# Allegro board 8880F5-0825_4.brd (continued)
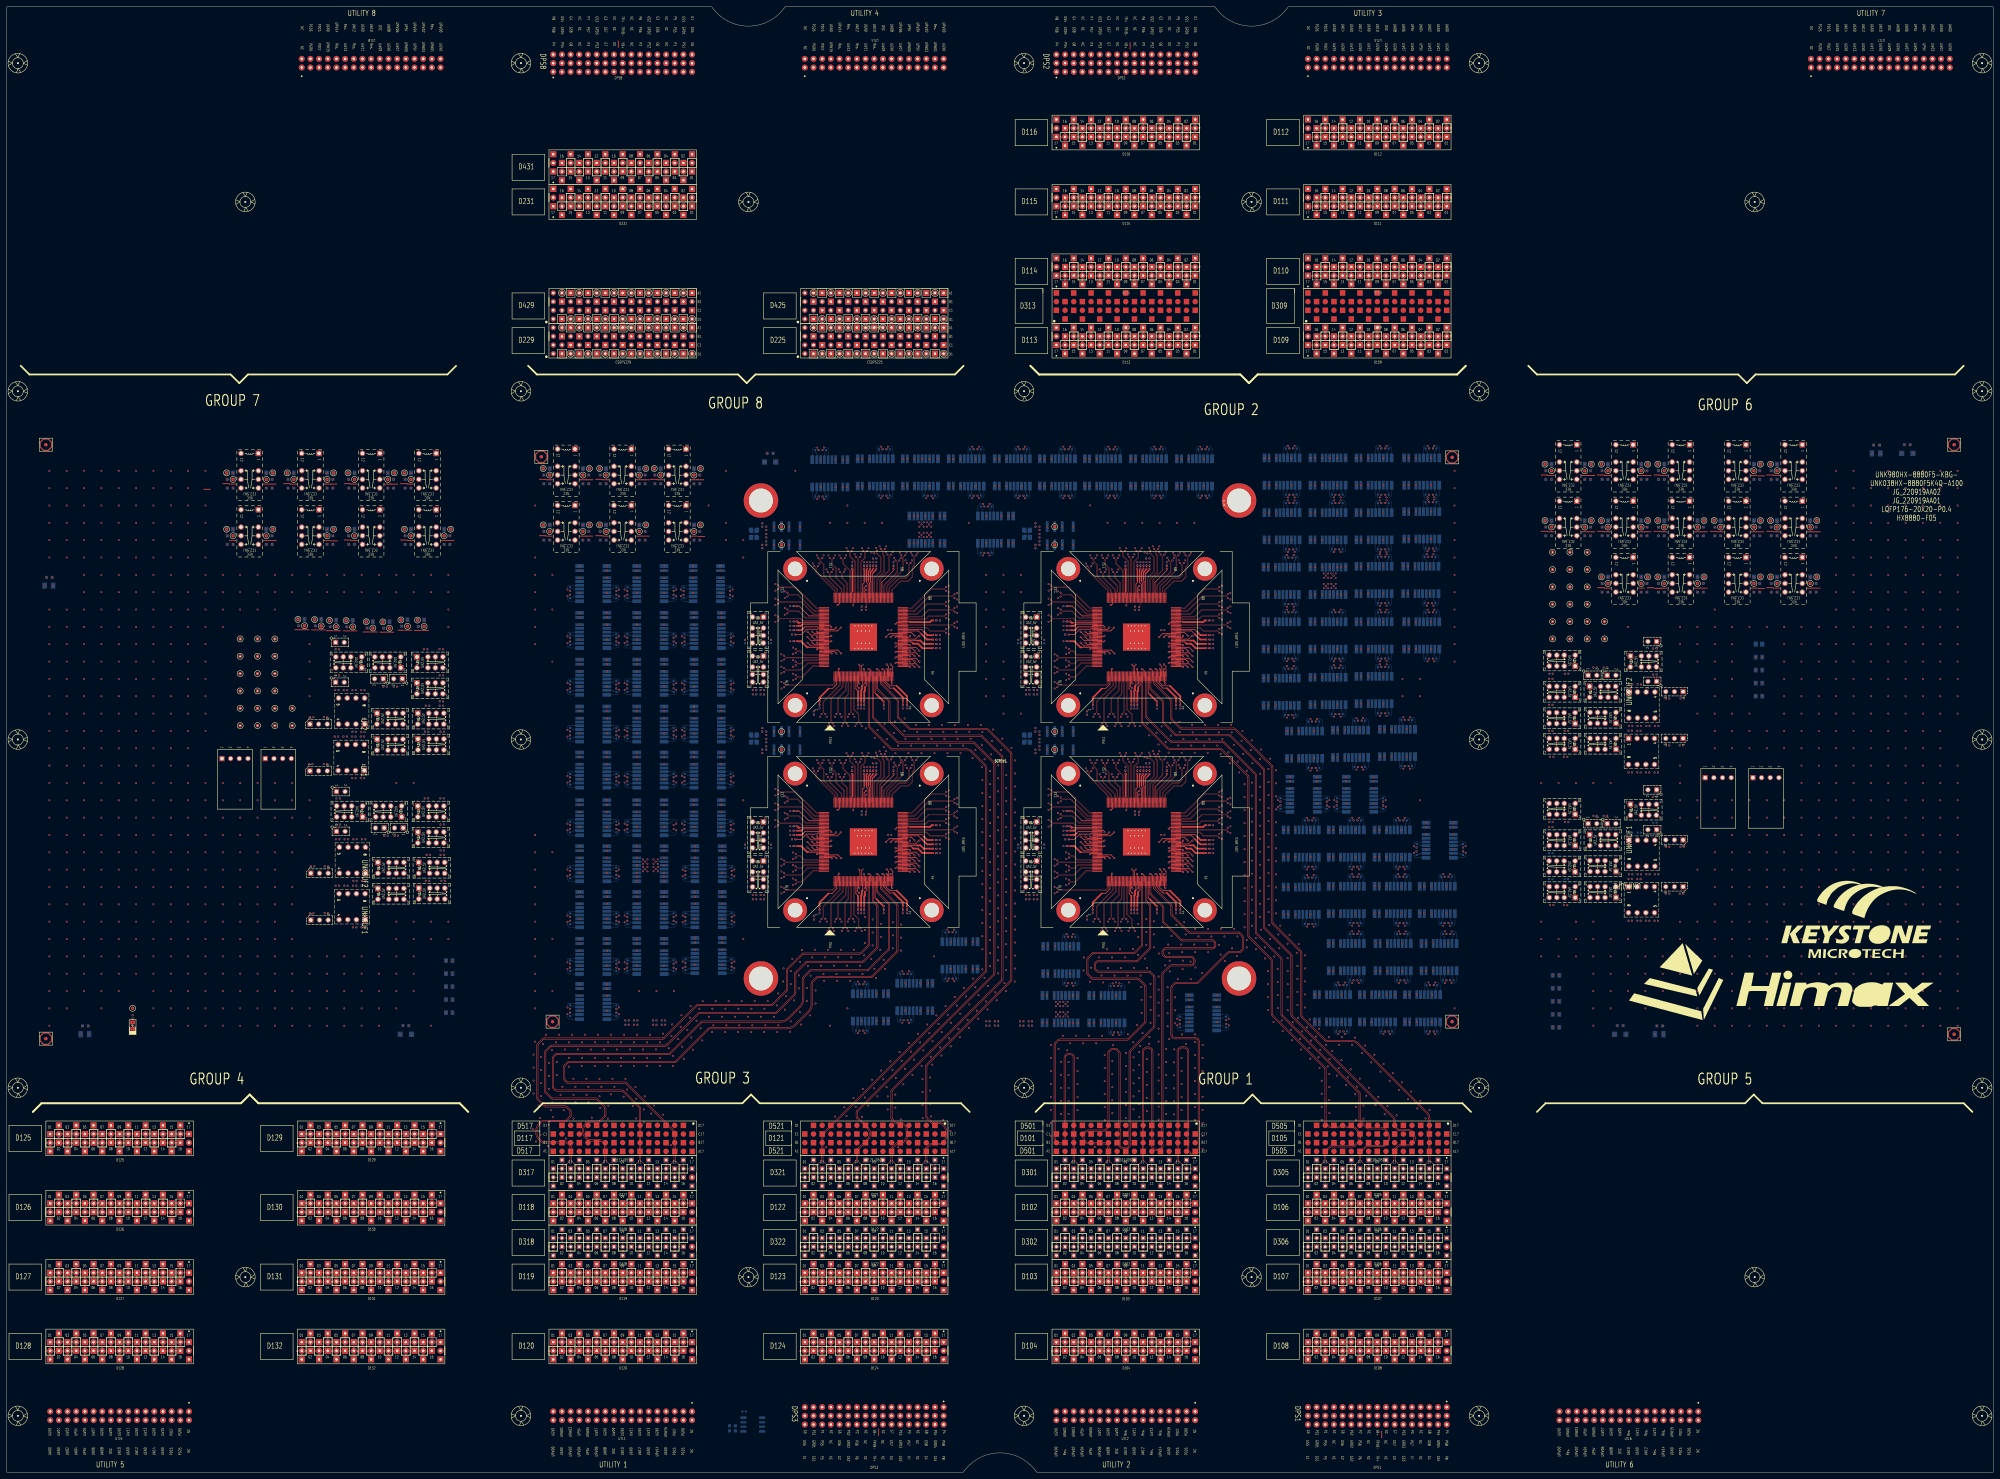
[diagram p0: board, top side]
## Routing (per net, layer and track width the routed paths; a pad name or vN(x,y) marks a point on that pad's centre or on a via; arc(x,y) is an arc through that point) (continued)
S3_DCH044: length 2.2
  TOP w0.231: v1(237.23,181.03) 237.43,181.23 SITE3.163
S3_DCH045: length 5.4
  TOP w0.231: SITE3.164 243.35,180.83 v1(244.35,179.83)
S3_DCH046: length 3.9
  TOP w0.231: SITE3.165 242.35,180.43 v1(242.95,179.83)
S3_DCH047: length 2.3
  TOP w0.231: SITE3.166 241.36,180.03 v1(241.56,179.83)
S3_DCH048:
  vias: v1(229.05,216.97)
S3_DCH049:
  vias: v1(229.05,211.67)
S3_DPS_F_001:
  vias: v1(112.05,249.13) v1(112.05,247.23) v1(190.24,131.06) v1(221.73,167.84)
S3_DPS_F_002: length 10.1
  TOP w0.231: SITE3.3 243.03,170.86 241.72,169.55 240.65,169.55
  TOP w0.508: 240.65,169.55 237.98,166.88 v1(237.98,165.75)
  vias: v1(111.55,292.74) v1(111.55,290.83) v1(236.32,162.9) v1(237.98,163.71)
S3_DPS_F_003: length 63.1
  TOP w0.231: 232.83,188.18 233.08,188.43 SITE3.145 ; 249.28,168.85 248.63,169.5 SITE3.17 ; SITE3.71 266.94,186.43 267.84,185.53 ; 259.73,169.66 258.57,169.66 256.63,171.59 SITE3.37 ; 265.2,182.93 264.9,183.23 SITE3.63 ; 251.69,201.16 251.69,200.65 252.23,200.11 SITE3.107 ; 234.63,181.63 SITE3.162
  TOP w0.381: v1(251.94,204.54) 251.69,204.28 251.69,201.16
  TOP w0.508: v1(249.28,165.75) 249.28,168.85 ; v1(271.22,181.37) 268.11,181.37 266.8,182.68 265.45,182.68 265.2,182.93 ; v1(231.44,187.93) 232.58,187.93 232.83,188.18 ; v1(231.44,183.41) 232.59,183.41 234.37,181.63 234.63,181.63 ; v1(271.22,183.91) 269.46,183.91 267.84,185.53 ; v1(262.36,165.75) 262.36,167.02 259.73,169.66
  vias: v1(101.81,292.74) v1(101.81,290.83) v1(114.55,186.44) v1(229.4,187.93) v1(229.4,183.41) v1(249.28,163.71) v1(251.54,192.61) v1(251.94,206.58) v1(262.36,163.71) v1(273.27,183.91) v1(273.27,181.37)
S3_DPS_F_006: length 9.6
  TOP w0.231: 268.55,186.19 267.92,186.83 SITE3.72
  TOP w0.508: v1(271.22,185.18) 269.56,185.18 268.55,186.19
  vias: v1(75.99,276.23) v1(75.99,274.32) v1(259,186.67) v1(273.27,185.18)
S3_DPS_F_007: length 19
  TOP w0.231: SITE3.97 256.23,200.71 259.65,204.13 v1(259.65,204.54) ; SITE3.78 264.15,189.23 264.37,189.01
  TOP w0.508: v1(271.22,189.5) 270.8,189.5 270.31,189.01 264.37,189.01
  vias: v1(75.99,292.74) v1(75.99,290.83) v1(259.65,206.58) v1(273.27,189.5)
S3_DPS_F_009: length 8.8
  TOP w0.231: 252.26,201.12 252.26,200.9 252.63,200.53 SITE3.106
  TOP w0.381: v1(252.83,204.54) 252.83,204.39 252.26,203.82 252.26,201.12
  vias: v1(93.77,292.74) v1(93.77,290.83) v1(252.83,206.58) v1(253.61,207.66)
S3_DPS_F_010: length 8.6
  TOP w0.231: 251.05,201.13 251.05,200.57 250.63,200.15 SITE3.111
  TOP w0.381: 251.05,201.13 v1(251.05,204.54)
  vias: v1(84.03,292.74) v1(84.03,290.83) v1(250.34,193.59) v1(251.05,206.58)
S3_DPS_F_011: length 17.6
  TOP w0.231: SITE3.139 234.87,190.83 232.01,193.69 v1(231.44,193.69) ; 247.64,198.01 247.43,197.79 SITE3.119
  TOP w0.508: v1(247.57,204.54) 247.64,204.47 247.64,198.01
  vias: v1(66.25,292.74) v1(66.25,290.83) v1(229.4,193.69) v1(247.57,206.58)
S3_DPS_F_012: length 8
  TOP w0.231: 232.2,188.83 SITE3.144
  TOP w0.508: 232.2,188.83 231.81,188.83 v1(231.44,189.2)
  vias: v1(66.25,276.23) v1(66.25,274.32) v1(229.4,189.2)
S3_DPS_F_013:
  vias: v1(89.78,163.72) v1(90.02,177.49) v1(96.27,171.81) v1(96.37,185.42) v1(97.53,197.36) v1(97.53,189.74) v1(98.81,171.81) v1(98.91,185.42) v1(101.35,171.81) v1(101.35,159.62) v1(101.45,185.42) v1(101.45,173.22) v1(103.89,159.62) v1(104.89,171.81) v1(104.99,185.42) v1(105.01,173.17) v1(107.18,249.19) v1(107.18,247.28) v1(122.38,197.41) v1(127.01,189.74) v1(127.01,182.12)
S3_ISP00+: length 15.9
  TOP w0.086: SITE3.73 263.98,187.23 264.06,187.31 269.31,187.31 270.29,186.33 274.62,186.33 v1(275.08,185.88)
  BOTTOM w0.119: v1(186.95,178.86) UNK3K43.7
S3_ISP00-: length 15.9
  TOP w0.086: v1(275.08,187.02) 274.62,186.57 270.39,186.57 269.41,187.55 264.06,187.55 263.98,187.63 SITE3.74
  BOTTOM w0.119: v1(189.99,178.86) UNK3K43.2
S3_ISP14+: length 14.5
  TOP w0.086: SITE3.112 250.23,197.78 250.15,197.86 250.15,206.59 251.48,207.92 251.48,209.45 v1(251.93,209.9)
  vias: v1(184.47,174.46)
S3_ISP14-: length 14.5
  TOP w0.086: SITE3.113 249.83,197.78 249.91,197.86 249.91,206.69 251.24,208.02 251.24,209.45 v1(250.79,209.9)
  vias: v1(192.47,174.46)
S3_ISP_1LOCK:
  vias: v1(229.91,185.39)
S3_M_DPS_F_001: length 45.2
  TOP w0.231: 250.63,170.54 SITE3.22 ; SITE3.39 257.43,171.49 258.54,170.37 260.57,170.37 ; SITE3.147 233.7,187.63 233.24,187.18 ; SITE3.104 253.43,203.21 ; 266.49,183.63 SITE3.64
  TOP w0.381: 253.43,203.21 254.61,204.39 v1(254.61,204.54)
  TOP w0.508: 250.63,170.54 250.38,170.28 250.38,169.17 250.17,168.96 v1(250.17,165.75) ; 260.57,170.37 263.63,167.31 v1(263.63,165.75) ; 266.49,183.63 267.49,183.63 268.48,182.64 v1(271.22,182.64) ; 233.24,187.18 232.72,186.66 v1(231.44,186.66)
  vias: v1(101.81,276.23) v1(101.81,274.32) v1(229.4,186.66) v1(250.17,163.71) v1(254.61,206.58) v1(263.63,163.71) v1(273.27,182.64)
S3_PS9G_DCH001: length 3.7
  TOP w0.231: v1(249.63,169.63) 249.03,170.23 SITE3.18
S3_PS9G_DCH002: length 2.2
  TOP w0.231: v1(249.63,171.03) 249.43,171.23 SITE3.19
S3_PS9G_DCH003: length 2.2
  TOP w0.231: v1(251.23,171.03) 251.43,171.23 SITE3.24
S3_PS9G_DCH004: length 2.2
  TOP w0.231: v1(257.63,175.23) 257.83,175.03 SITE3.40
S3_PS9G_DCH005: length 2.2
  TOP w0.231: SITE3.45 264.23,176.03 v1(264.43,175.83)
S3_PS9G_DCH006: length 3.7
  TOP w0.231: SITE3.46 265.23,176.43 v1(265.83,175.83)
S3_PS9G_DCH007: length 5.3
  TOP w0.231: v1(267.23,175.83) 266.22,176.83 SITE3.47
S3_PS9G_DCH009: length 2.2
  TOP w0.231: v1(264.43,177.43) 264.23,177.63 SITE3.49
S3_PS9G_DCH010: length 3.7
  TOP w0.231: v1(265.83,177.43) 265.23,178.03 SITE3.50
S3_PS9G_DCH011: length 5.3
  TOP w0.231: SITE3.51 266.22,178.43 v1(267.23,177.43)
S3_PS9G_DCH014: length 3.7
  TOP w0.231: SITE3.54 265.23,179.63 v1(265.83,179.03)
S3_PS9G_DCH015: length 5.3
  TOP w0.231: v1(267.23,179.03) 266.22,180.03 SITE3.55
S3_PS9G_DCH022: length 5.3
  TOP w0.231: SITE3.65 266.05,184.03 267.05,185.03 v1(267.23,185.03)
S3_PS9G_DCH023: length 2.5
  TOP w0.231: v1(264.43,185.03) 264.43,184.83 264.03,184.43 SITE3.66
S3_PS9G_DCH027: length 3.9
  TOP w0.231: v1(265.83,185.03) 264.83,186.03 SITE3.70
S3_PS9G_DCH028: length 2.3
  TOP w0.231: SITE3.77 260.6,188.83 v1(260.23,188.46)
S3_PS9G_DCH029: length 2.2
  TOP w0.119: SITE3.118 v1(247.83,193.92)
S3_PS9G_DCH030: length 9.2
  TOP w0.231: SITE3.148 237.62,187.23 237.3,186.91 234.16,186.91 232.63,185.39 v1(230.91,185.39)
S3_PS9G_DCH035: length 5.3
  TOP w0.231: v1(234.44,186.23) 235.44,185.23 SITE3.153
S3_PS9G_DCH036: length 2.2
  TOP w0.231: SITE3.154 241.23,184.83 v1(241.43,185.03)
S3_PS9G_DCH037: length 2.2
  TOP w0.231: v1(237.23,184.63) 237.43,184.43 SITE3.155
S3_PS9G_DCH038: length 3.7
  TOP w0.231: SITE3.156 236.43,184.03 v1(235.83,184.63)
S3_PS9G_DCH039: length 5.3
  TOP w0.231: v1(234.44,184.63) 235.44,183.63 SITE3.157
S3_PS9G_DCH040: length 2.2
  TOP w0.231: v1(241.43,183.43) 241.23,183.23 SITE3.158
S3_RLY_001:
  vias: v1(256.73,140.14) v1(282.9,155.38)
S3_RLY_003:
  vias: v1(167.7,182.06) v1(269.69,143.19)
S3_RLY_005:
  vias: v1(184.47,222.95) v1(201.23,222.95)
S3_RLY_007:
  vias: v1(184.47,209.49)
S3_RLY_008:
  vias: v1(167.7,209.49) v1(184.47,195.52)
S3_RLY_016:
  vias: v1(167.7,195.52) v1(201.23,209.49)
S3_RLY_018:
  vias: v1(232.25,216.97)
S3_RLY_021:
  vias: v1(167.7,168.6) v1(201.23,195.52)
S3_RLY_022:
  vias: v1(184.47,154.88) v1(201.49,155.13)
S3_RLY_023:
  vias: v1(167.7,141.67)
S3_RLY_025:
  vias: v1(201.49,182.06) v1(201.49,168.6)
S3_RLY_026:
  vias: v1(184.47,168.6)
S3_RLY_030:
  vias: v1(167.7,154.88)
S3_RLY_043:
  vias: v1(184.47,182.06)
S3_SCAN_DCH008: length 2.2
  TOP w0.231: SITE3.48 260.43,177.23 v1(260.23,177.03)
S3_SCAN_DCH012: length 2.2
  TOP w0.231: v1(260.23,178.63) 260.43,178.83 SITE3.52
S3_SCAN_DCH013: length 2.2
  TOP w0.231: v1(264.43,179.03) 264.23,179.23 SITE3.53
S3_SCAN_DCH016: length 2.2
  TOP w0.231: v1(260.23,180.23) 260.43,180.43 SITE3.56
S3_SCAN_DCH017: length 2.2
  TOP w0.231: SITE3.57 264.23,180.83 v1(264.43,180.63)
S3_SCAN_DCH018: length 3.7
  TOP w0.231: v1(265.83,180.63) 265.23,181.23 SITE3.58
S3_SCAN_DCH019: length 5.3
  TOP w0.231: SITE3.59 266.22,181.63 v1(267.23,180.63)
S3_SCAN_DCH020: length 2.2
  TOP w0.231: v1(260.23,181.83) 260.43,182.03 SITE3.60
S3_SCAN_DCH021: length 2.2
  TOP w0.231: SITE3.61 264.23,182.43 v1(264.43,182.23)
S3_SCAN_DCH024: length 2.2
  TOP w0.231: SITE3.67 260.43,184.83 v1(260.23,184.63)
S3_SCAN_DCH025: length 3.7
  TOP w0.231: SITE3.68 259.43,185.23 v1(258.83,184.63)
S3_SCAN_DCH026: length 5.3
  TOP w0.231: SITE3.69 258.44,185.63 v1(257.44,184.63)
S3_SCAN_DCH031: length 3.7
  TOP w0.231: SITE3.149 242.23,186.83 v1(242.83,187.43)
S3_SCAN_DCH032: length 5.3
  TOP w0.231: SITE3.150 243.22,186.43 v1(244.22,187.43)
S3_SCAN_DCH033: length 2.2
  TOP w0.231: v1(237.23,186.23) 237.43,186.03 SITE3.151
S3_SCAN_DCH034: length 3.7
  TOP w0.231: SITE3.152 236.43,185.63 v1(235.83,186.23)
S3_SPI_1_CSN:
  vias: v1(104.89,159.62)
S3_SPI_1_SCK:
  vias: v1(99.81,171.81)
S3_SPI_1_SDI:
  vias: v1(123.69,173.23)
S3_SPI_1_SDO:
  vias: v1(123.94,180.85)
S3_SPI_2_CSN:
  vias: v1(104.01,173.17)
S3_SPI_2_SCK:
  vias: v1(99.91,185.42)
S3_SPI_2_SDI:
  vias: v1(128.26,173.23)
S3_SPI_2_SDO:
  vias: v1(128.01,180.85)
S3_SPI_11_SDI:
  vias: v1(102.35,159.62) v1(122.69,173.23)
S3_SPI_11_SDO:
  vias: v1(97.27,171.81) v1(122.94,180.85)
S3_SPI_22_SDI:
  vias: v1(102.45,173.22) v1(127.26,173.23)
S3_SPI_22_SDO:
  vias: v1(97.37,185.42) v1(127.01,180.85)
S3_SPI_CSN: length 2.2
  TOP w0.231: SITE3.43 259.03,171.23 v1(259.23,171.03)
S3_SPI_SCK: length 2.2
  TOP w0.231: SITE3.42 258.63,175.03 v1(258.83,175.23)
S3_SPI_SDI: length 3.7
  TOP w0.231: v1(258.83,176.63) 259.43,176.03 SITE3.44
S3_SPI_SDO: length 3.7
  TOP w0.231: v1(257.63,176.63) 258.23,176.03 SITE3.41
S3_XTAL_IN: length 2.5
  TOP w0.119: SITE3.109 251.43,198.31 v1(251.63,198.51)
  vias: v1(226.85,211.67)
S3_XTAL_OUT: length 3.7
  TOP w0.231: v1(251.63,199.63) 251.03,199.03 SITE3.110
  vias: v1(226.85,216.97)
S4_1AUX+:
  vias: v1(301.73,169.11)
S4_1AUX-:
  vias: v1(298.45,169.11)
S4_1TX_100DCH001+: length 2.5
  BOTTOM w0.119: v1(310.01,134.11) UNK4K43.6
  vias: v1(421.02,174.43)
S4_1TX_100DCH001-: length 2.5
  BOTTOM w0.119: v1(310.01,137.16) UNK4K43.3
  vias: v1(422.17,174.43)
S4_1TX_100DCH002+: length 15.4
  TOP w0.086: SITE4.75 343.98,188.03 344.06,188.11 357.07,188.11 v1(357.52,187.66)
  vias: v1(421.02,160.85)
S4_1TX_100DCH002-: length 15.4
  TOP w0.086: v1(357.52,188.8) 357.07,188.35 344.06,188.35 343.98,188.43 SITE4.76
  vias: v1(422.17,160.85)
S4_1TX_100DCH003+: length 13.3
  TOP w0.086: SITE4.79 343.98,189.63 344.06,189.71 349.05,189.71 349.94,190.59 354.62,190.59 v1(355.08,190.14)
  vias: v1(408.07,157.67)
S4_1TX_100DCH003-: length 13.3
  TOP w0.086: v1(355.08,191.28) 354.62,190.83 349.84,190.83 348.95,189.95 344.06,189.95 343.98,190.03 SITE4.80
  vias: v1(409.21,157.67)
S4_1TX_100DCH004+: length 16.2
  TOP w0.086: v1(357.52,192.08) 357.07,192.53 350.02,192.53 347.99,190.51 344.06,190.51 343.98,190.43 SITE4.81
  vias: v1(408.07,144.08)
S4_1TX_100DCH004-: length 16.2
  TOP w0.086: SITE4.82 343.98,190.83 344.06,190.75 347.89,190.75 349.92,192.77 357.07,192.77 v1(357.52,193.22)
  vias: v1(409.21,144.08)
S4_1TX_100DCH005+: length 14.2
  TOP w0.086: SITE4.83 343.98,191.23 344.06,191.31 346.61,191.31 349.53,194.22 354.62,194.22 v1(355.08,193.77)
  vias: v1(324.25,142.43)
S4_1TX_100DCH005-: length 14.2
  TOP w0.086: SITE4.84 343.98,191.63 344.06,191.55 346.51,191.55 349.43,194.46 354.62,194.46 v1(355.08,194.92)
  vias: v1(325.39,142.43)
S4_1TX_100DCH006+: length 17.2
  TOP w0.086: SITE4.85 343.98,192.03 344.06,192.11 345.74,192.11 350.12,196.49 357.07,196.49 v1(357.52,196.03)
  vias: v1(324.25,128.84)
S4_1TX_100DCH006-: length 17.2
  TOP w0.086: v1(357.52,197.18) 357.07,196.73 350.02,196.73 345.64,192.35 344.06,192.35 343.98,192.43 SITE4.86
  vias: v1(325.39,128.84)
S4_1TX_100DCH007+: length 15.3
  TOP w0.086: SITE4.87 343.98,192.83 344.06,192.91 344.96,192.91 350.67,198.62 354.62,198.62 v1(355.08,198.17)
  vias: v1(409.34,220.41)
S4_1TX_100DCH007-: length 15.3
  TOP w0.086: v1(355.08,199.31) 354.62,198.86 350.57,198.86 344.86,193.15 344.06,193.15 343.98,193.23 SITE4.88
  vias: v1(410.48,220.41)
S4_2AUX+:
  vias: v1(300.22,132.08) v1(300.22,130.81) v1(300.73,169.11) v1(300.73,167.84)
S4_2AUX-:
  vias: v1(296.68,130.81) v1(297.68,132.08) v1(299.45,169.11) v1(299.45,167.84)
S4_2TX_100DCH001+: length 16.7
  TOP w0.086: SITE4.89 339.43,197.78 339.35,197.86 339.35,198.44 341.74,200.83 343.95,200.83 345.31,202.18 345.31,205.07 345.87,205.63 345.87,208.15 v1(346.32,208.6)
  vias: v1(409.34,206.82)
S4_2TX_100DCH001-: length 16.7
  TOP w0.086: v1(345.18,208.6) 345.63,208.15 345.63,205.73 345.07,205.17 345.07,202.28 343.85,201.07 341.64,201.07 339.11,198.54 339.11,197.86 339.03,197.78 SITE4.90
  vias: v1(410.48,206.82)
S4_2TX_100DCH002+: length 13.9
  TOP w0.086: SITE4.91 338.63,197.78 338.55,197.86 338.55,199 341.27,201.72 343.16,201.72 344.22,202.77 344.22,205.88 v1(344.67,206.34)
  vias: v1(394.35,157.67)
S4_2TX_100DCH002-: length 13.9
  TOP w0.086: SITE4.92 338.23,197.78 338.31,197.86 338.31,199.1 341.17,201.96 343.07,201.96 343.98,202.87 343.98,205.88 v1(343.52,206.34)
  vias: v1(395.5,157.67)
S4_2TX_100DCH003+: length 14.7
  TOP w0.086: v1(343.07,208.6) 342.61,208.15 342.61,204.3 337.75,199.44 337.75,197.86 337.83,197.78 SITE4.93
  vias: v1(394.35,144.08)
S4_2TX_100DCH003-: length 14.7
  TOP w0.086: v1(341.92,208.6) 342.37,208.15 342.37,204.4 337.51,199.54 337.51,197.86 337.43,197.78 SITE4.94
  vias: v1(395.5,144.08)
S4_2TX_100DCH004+: length 12.8
  TOP w0.086: v1(341.36,207.09) 340.9,206.64 340.9,203.67 336.95,199.72 336.95,197.86 337.03,197.78 SITE4.95
  vias: v1(421.53,157.67)
S4_2TX_100DCH004-: length 12.8
  TOP w0.086: SITE4.96 336.63,197.78 336.71,197.86 336.71,199.82 340.67,203.77 340.67,206.64 v1(340.21,207.09)
  vias: v1(422.68,157.67)
S4_2TX_100DCH005+: length 14.1
  TOP w0.086: SITE4.98 335.83,197.78 335.75,197.86 335.75,201.37 338.54,204.15 338.54,208.38 v1(338.99,208.83)
  vias: v1(421.53,144.08)
S4_2TX_100DCH005-: length 14.1
  TOP w0.086: v1(337.84,208.83) 338.3,208.38 338.3,204.25 335.51,201.47 335.51,197.86 335.43,197.78 SITE4.99
  vias: v1(422.68,144.08)
S4_2TX_100DCH006+: length 15.6
  TOP w0.086: SITE4.100 335.03,197.78 334.95,197.86 334.95,201.59 337.04,203.68 337.04,208.51 336.65,208.9 336.65,209.99 v1(337.1,210.44)
  vias: v1(426.4,182.99)
S4_2TX_100DCH006-: length 15.6
  TOP w0.086: v1(335.96,210.44) 336.41,209.99 336.41,208.8 336.8,208.41 336.8,203.78 334.71,201.69 334.71,197.86 334.63,197.78 SITE4.101
  vias: v1(426.4,181.84)
S4_2TX_100DCH007+: length 15.1
  TOP w0.086: v1(334.78,209.97) 334.78,209.33 335.98,208.13 335.98,203.78 334.15,201.95 334.15,197.86 334.23,197.78 SITE4.102
  vias: v1(412.81,182.99)
S4_2TX_100DCH007-: length 14.9
  TOP w0.086: v1(333.98,209.17) 334.61,209.17 335.74,208.03 335.74,203.88 333.91,202.05 333.91,197.86 333.83,197.78 SITE4.103
  vias: v1(412.81,181.84)
S4_3TX_100DCH002+: length 12.2
  TOP w0.086: SITE4.114 329.43,197.78 329.35,197.86 329.35,207.66 v1(329.8,208.11)
  vias: v1(403.5,129.1)
S4_3TX_100DCH002-: length 12.2
  TOP w0.086: SITE4.115 329.03,197.78 329.11,197.86 329.11,207.66 v1(328.66,208.11)
  vias: v1(404.64,129.1)
S4_3TX_100DCH003+: length 14.7
  TOP w0.086: v1(327.41,209.9) 326.96,209.45 326.96,208.41 328.55,206.82 328.55,197.86 328.63,197.78 SITE4.116
  vias: v1(381.15,190.94)
S4_3TX_100DCH003-: length 14.7
  TOP w0.086: v1(326.26,209.9) 326.72,209.45 326.72,208.31 328.31,206.72 328.31,197.86 328.23,197.78 SITE4.117
  vias: v1(382.29,190.94)
S4_3TX_100DCH004+: length 12.7
  TOP w0.086: v1(325.36,207.81) 324.91,207.36 324.91,206.21 326.95,204.17 326.95,197.86 327.03,197.78 SITE4.120
  vias: v1(381.15,177.36)
S4_3TX_100DCH004-: length 12.7
  TOP w0.086: SITE4.121 326.63,197.78 326.71,197.86 326.71,204.07 324.67,206.11 324.67,207.36 v1(324.22,207.81)
  vias: v1(382.29,177.36)
S4_3TX_100DCH005+: length 8.4
  TOP w0.086: SITE4.122 326.23,197.78 326.15,197.86 326.15,200.53 324.65,202.03 324.65,203.24 v1(325.11,203.69)
  vias: v1(394.35,174.43)
S4_3TX_100DCH005-: length 8.4
  TOP w0.086: v1(323.96,203.69) 324.42,203.24 324.42,201.93 325.91,200.44 325.91,197.86 325.83,197.78 SITE4.123
  vias: v1(395.5,174.43)
S4_3TX_100DCH006+: length 13.4
  TOP w0.086: v1(322.12,207.81) 321.66,207.36 321.66,206.13 322.87,204.93 322.87,202.13 325.35,199.65 325.35,197.86 325.43,197.78 SITE4.124
  vias: v1(394.35,160.85)
S4_3TX_100DCH006-: length 13.4
  TOP w0.086: SITE4.125 325.03,197.78 325.11,197.86 325.11,199.55 322.63,202.03 322.63,204.83 321.43,206.04 321.43,207.36 v1(320.97,207.81)
  vias: v1(395.5,160.85)
S4_3TX_100DCH007+: length 9.2
  TOP w0.086: v1(321.53,203.69) 321.08,203.24 321.08,202.2 324.55,198.73 324.55,197.86 324.63,197.78 SITE4.126
  vias: v1(416.71,142.68)
S4_3TX_100DCH007-: length 9.2
  TOP w0.086: v1(320.39,203.69) 320.84,203.24 320.84,202.1 324.31,198.63 324.31,197.86 324.23,197.78 SITE4.127
  vias: v1(417.85,142.68)
S4_4TX_100DCH001+: length 14
  TOP w0.086: SITE4.129 323.43,197.78 323.35,197.86 323.35,198.57 319.3,202.62 319.3,205.93 318.34,206.89 318.34,207.36 v1(318.79,207.81)
  vias: v1(416.71,129.1)
S4_4TX_100DCH001-: length 14
  TOP w0.086: SITE4.130 323.03,197.78 323.11,197.86 323.11,198.47 319.06,202.52 319.06,205.83 318.1,206.79 318.1,207.36 v1(317.64,207.81)
  vias: v1(417.85,129.1)
S4_4TX_100DCH002+: length 11.8
  TOP w0.086: v1(317.56,205.42) 317.11,204.97 317.11,203.7 322.55,198.26 322.55,197.86 322.63,197.78 SITE4.131
  vias: v1(390.29,142.68)
S4_4TX_100DCH002-: length 11.8
  TOP w0.086: SITE4.132 322.23,197.78 322.31,197.86 322.31,198.16 316.87,203.6 316.87,204.97 v1(316.42,205.42)
  vias: v1(391.43,142.68)
S4_4TX_100DCH003+: length 16.3
  TOP w0.086: SITE4.133 317.68,193.23 317.6,193.15 317.23,193.15 311.06,199.32 306.27,199.32 v1(305.81,199.77)
  vias: v1(390.29,129.1)
S4_4TX_100DCH003-: length 16.3
  TOP w0.086: v1(305.81,198.63) 306.27,199.08 310.96,199.08 317.13,192.91 317.6,192.91 317.68,192.83 SITE4.134
  vias: v1(391.43,129.1)
S4_4TX_100DCH004+: length 13
  TOP w0.086: v1(308.57,197.65) 309.02,197.2 311.68,197.2 316.53,192.35 317.6,192.35 317.68,192.43 SITE4.135
  vias: v1(407.82,174.43)
S4_4TX_100DCH004-: length 13
  TOP w0.086: SITE4.136 317.68,192.03 317.6,192.11 316.43,192.11 311.58,196.96 309.02,196.96 v1(308.57,196.51)
  vias: v1(408.96,174.43)
S4_4TX_100DCH005+: length 15.2
  TOP w0.086: v1(305.81,195.53) 306.27,195.08 312.64,195.08 316.17,191.55 317.6,191.55 317.68,191.63 SITE4.137
  vias: v1(407.82,160.85)
S4_4TX_100DCH005-: length 15.2
  TOP w0.086: v1(305.81,194.39) 306.27,194.84 312.55,194.84 316.07,191.31 317.6,191.31 317.68,191.23 SITE4.138
  vias: v1(408.96,160.85)
S4_4TX_100DCH006+: length 11.8
  TOP w0.086: SITE4.140 317.68,190.43 317.6,190.35 313.96,190.35 312.03,192.28 309.02,192.28 v1(308.57,192.73)
  vias: v1(310.75,156.84)
S4_4TX_100DCH006-: length 11.8
  TOP w0.086: v1(308.57,191.59) 309.02,192.04 311.93,192.04 313.86,190.11 317.6,190.11 317.68,190.03 SITE4.141
  vias: v1(311.89,156.84)
S4_4TX_100DCH007+: length 14
  TOP w0.086: v1(305.81,190.64) 306.27,190.19 312.4,190.19 313.04,189.55 317.6,189.55 317.68,189.63 SITE4.142
  vias: v1(310.75,143.26)
S4_4TX_100DCH007-: length 14
  TOP w0.086: SITE4.143 317.68,189.23 317.6,189.31 312.94,189.31 312.3,189.95 306.27,189.95 v1(305.81,189.49)
  vias: v1(311.89,143.26)
S4_AUX_100DCH002+:
  vias: v1(299.22,132.08)
S4_AUX_100DCH002-:
  vias: v1(296.68,132.08)
S4_AUXCH+: length 3.6
  TOP w0.203: SITE4.21 330.23,176.2 v2(330.6,176.57)
S4_AUXCH-: length 3.6
  TOP w0.203: v2(329.46,176.57) 329.83,176.2 SITE4.20
S4_AVDD11_RX: length 8.4
  TOP w0.231: 334.67,167.85 334.23,168.29 SITE4.31
  TOP w0.508: v1(336.77,165.75) 334.67,167.85
  vias: v1(336.77,163.71) v1(518.37,278.76) v1(518.37,276.86)
S4_AVDD11_XTAL: length 8.8
  TOP w0.231: SITE4.105 333.03,200.95 332.87,201.11 332.87,201.45
  TOP w0.381: 332.87,201.45 332.87,203.59 333.72,204.45 v1(333.72,204.54)
  vias: v1(333.72,206.58) v1(511.6,262.25) v1(511.6,260.35)
S4_AVDD18_RX: length 7.7
  TOP w0.231: SITE4.25 331.83,170.56 331.28,170.01
  TOP w0.508: 331.28,170.01 331.28,168.9 331.06,168.68 v1(331.06,165.75)
  vias: v1(331.06,163.71) v1(528.11,278.76) v1(528.11,276.86)
S4_DCH041: length 2.2
  TOP w0.231: SITE4.159 317.43,182.83 v1(317.23,183.03)
S4_DCH042: length 3.7
  TOP w0.231: SITE4.160 316.43,182.43 v1(315.83,183.03)
S4_DCH043: length 5.3
  TOP w0.231: v1(314.43,183.03) 315.44,182.03 SITE4.161
S4_DCH044: length 2.2
  TOP w0.231: v1(317.23,181.03) 317.43,181.23 SITE4.163
S4_DCH045: length 5.4
  TOP w0.231: v1(324.35,179.83) 323.35,180.83 SITE4.164
S4_DCH046: length 3.9
  TOP w0.231: v1(322.95,179.83) 322.35,180.43 SITE4.165
S4_DCH047: length 2.3
  TOP w0.231: v1(321.56,179.83) 321.36,180.03 SITE4.166
S4_DCH048:
  vias: v1(309.05,216.97)
S4_DCH049:
  vias: v1(309.05,211.67)
S4_DPS_F_001:
  vias: v1(122.19,249.66) v1(122.19,247.75) v1(297.68,130.81) v1(301.73,167.84)
S4_DPS_F_002: length 10.1
  TOP w0.231: SITE4.3 323.03,170.86 321.72,169.55 320.65,169.55
  TOP w0.508: 320.65,169.55 317.98,166.88 v1(317.98,165.75)
  vias: v1(316.32,162.9) v1(317.98,163.71) v1(511.6,278.76) v1(511.6,276.86)
S4_DPS_F_003: length 63.1
  TOP w0.231: 329.28,168.85 328.63,169.5 SITE4.17 ; SITE4.37 336.63,171.59 338.57,169.66 339.73,169.66 ; SITE4.145 313.08,188.43 312.83,188.18 ; 331.69,201.16 331.69,200.65 332.23,200.11 SITE4.107 ; 345.2,182.93 344.9,183.23 SITE4.63 ; SITE4.71 346.94,186.43 347.84,185.53 ; 314.63,181.63 SITE4.162
  TOP w0.381: 331.69,201.16 331.69,204.28 v1(331.94,204.54)
  TOP w0.508: v1(351.22,183.91) 349.45,183.91 347.84,185.53 ; 345.2,182.93 345.45,182.68 346.8,182.68 348.11,181.37 v1(351.22,181.37) ; v1(311.44,187.93) 312.58,187.93 312.83,188.18 ; 314.63,181.63 314.37,181.63 312.59,183.41 v1(311.44,183.41) ; v1(329.28,165.75) 329.28,168.85 ; v1(342.36,165.75) 342.36,167.02 339.73,169.66
  vias: v1(309.4,187.93) v1(309.4,183.41) v1(329.28,163.71) v1(331.54,192.61) v1(331.94,206.58) v1(342.36,163.71) v1(353.27,183.91) v1(353.27,181.37) v1(464.57,192.28) v1(501.86,278.76) v1(501.86,276.86)
S4_DPS_F_006: length 9.6
  TOP w0.231: SITE4.72 347.92,186.83 348.55,186.19
  TOP w0.508: v1(351.22,185.18) 349.56,185.18 348.55,186.19
  vias: v1(339,186.67) v1(353.27,185.18) v1(478.58,262.25) v1(478.58,260.35)
S4_DPS_F_007: length 19
  TOP w0.231: v1(339.65,204.54) 339.65,204.13 336.23,200.71 SITE4.97 ; 344.37,189.01 344.15,189.23 SITE4.78
  TOP w0.508: 344.37,189.01 350.31,189.01 350.8,189.5 v1(351.22,189.5)
  vias: v1(339.65,206.58) v1(353.27,189.5) v1(528.11,262.25) v1(528.11,260.35)
S4_DPS_F_009: length 8.8
  TOP w0.231: 332.26,201.12 332.26,200.9 332.63,200.53 SITE4.106
  TOP w0.381: 332.26,201.12 332.26,203.82 332.83,204.39 v1(332.83,204.54)
  vias: v1(332.83,206.58) v1(333.61,207.66) v1(495.09,262.25) v1(495.09,260.35)
S4_DPS_F_010: length 8.6
  TOP w0.231: SITE4.111 330.63,200.15 331.05,200.57 331.05,201.13
  TOP w0.381: 331.05,201.13 v1(331.05,204.54)
  vias: v1(330.34,193.59) v1(331.05,206.58) v1(485.35,262.25) v1(485.35,260.35)
S4_DPS_F_011: length 17.6
  TOP w0.231: SITE4.119 327.43,197.79 327.64,198.01 ; SITE4.139 314.87,190.83 312.01,193.69 v1(311.44,193.69)
  TOP w0.508: v1(327.57,204.54) 327.64,204.47 327.64,198.01
  vias: v1(309.4,193.69) v1(327.57,206.58) v1(518.37,262.25) v1(518.37,260.35)
S4_DPS_F_012: length 8
  TOP w0.231: 312.2,188.83 SITE4.144
  TOP w0.508: 312.2,188.83 311.81,188.83 v1(311.44,189.2)
  vias: v1(309.4,189.2) v1(468.84,262.25) v1(468.84,260.35)
S4_DPS_F_013:
  vias: v1(117.33,249.71) v1(117.33,247.8) v1(452.62,188.98) v1(457.25,190.45) v1(474.87,173.79) v1(474.89,161.55) v1(474.99,175.15) v1(478.43,173.74) v1(478.43,161.55) v1(478.53,175.15) v1(480.97,161.55) v1(481.07,175.15) v1(482.1,197.87) v1(483.51,161.55) v1(483.61,175.15) v1(489.86,169.47) v1(490.1,183.24)
S4_ELVRX_100DCH001+: length 305.6
  TOP w0.086: v1(319.69,162.06) 319.24,162.51 319.24,165.66 324.15,170.57 324.15,171.4 324.23,171.48 SITE4.6
  L03_SIGNAL w0.071: 383.54,58.42 386.04,60.92 386.04,61.79 385.55,62.27 379.63,62.27 378.2,63.7 378.2,114.77 388.31,124.88 388.31,141.48 384.99,144.8 384.99,187.49 387.86,190.36 387.86,195.42 387.5,195.78 386.6,195.78 386.52,195.71 v1(386.52,195.31)
  L28_SIGNAL w0.071: v1(319.69,162.06) 319.29,162.06 319.22,161.99 319.22,160.42 317.64,158.84 308.2,158.84 305.02,162.02 305.02,186.42 311.37,192.77 323.57,192.77 325.89,195.09 350.38,195.09 352.85,192.62 356.18,192.62 356.64,192.16 356.64,191.47 356.96,191.15 360.35,191.15 361.38,192.18 377.55,192.18 384.09,198.72 387.48,198.72 388.09,198.11 388.09,196.12 387.74,195.78 386.6,195.78 386.52,195.71 v1(386.52,195.31)
S4_ELVRX_100DCH001-: length 304.2
  TOP w0.086: SITE4.5 323.83,171.48 323.91,171.4 323.91,170.67 319,165.76 319,162.51 v1(318.55,162.06)
  L03_SIGNAL w0.071: v1(386.52,196.45) 386.52,196.05 386.6,195.98 387.58,195.98 388.05,195.51 388.05,190.27 385.19,187.41 385.19,144.88 388.51,141.56 388.51,124.8 378.4,114.69 378.4,63.78 379.71,62.47 385.63,62.47 386.24,61.87 386.24,60.8 388.62,58.42
  L28_SIGNAL w0.071: v1(386.52,196.45) 386.52,196.05 386.6,195.98 387.66,195.98 387.89,196.21 387.89,198.03 387.39,198.52 384.17,198.52 377.63,191.98 361.46,191.98 360.43,190.96 356.87,190.96 356.44,191.39 356.44,192.08 356.1,192.42 352.77,192.42 350.29,194.89 325.97,194.89 323.66,192.57 311.45,192.57 305.21,186.34 305.21,162.1 308.28,159.03 317.55,159.03 319.02,160.5 319.02,161.99 318.95,162.06 v1(318.55,162.06)
